# KiCad board radioboard_original.kicad_pcb (continued)
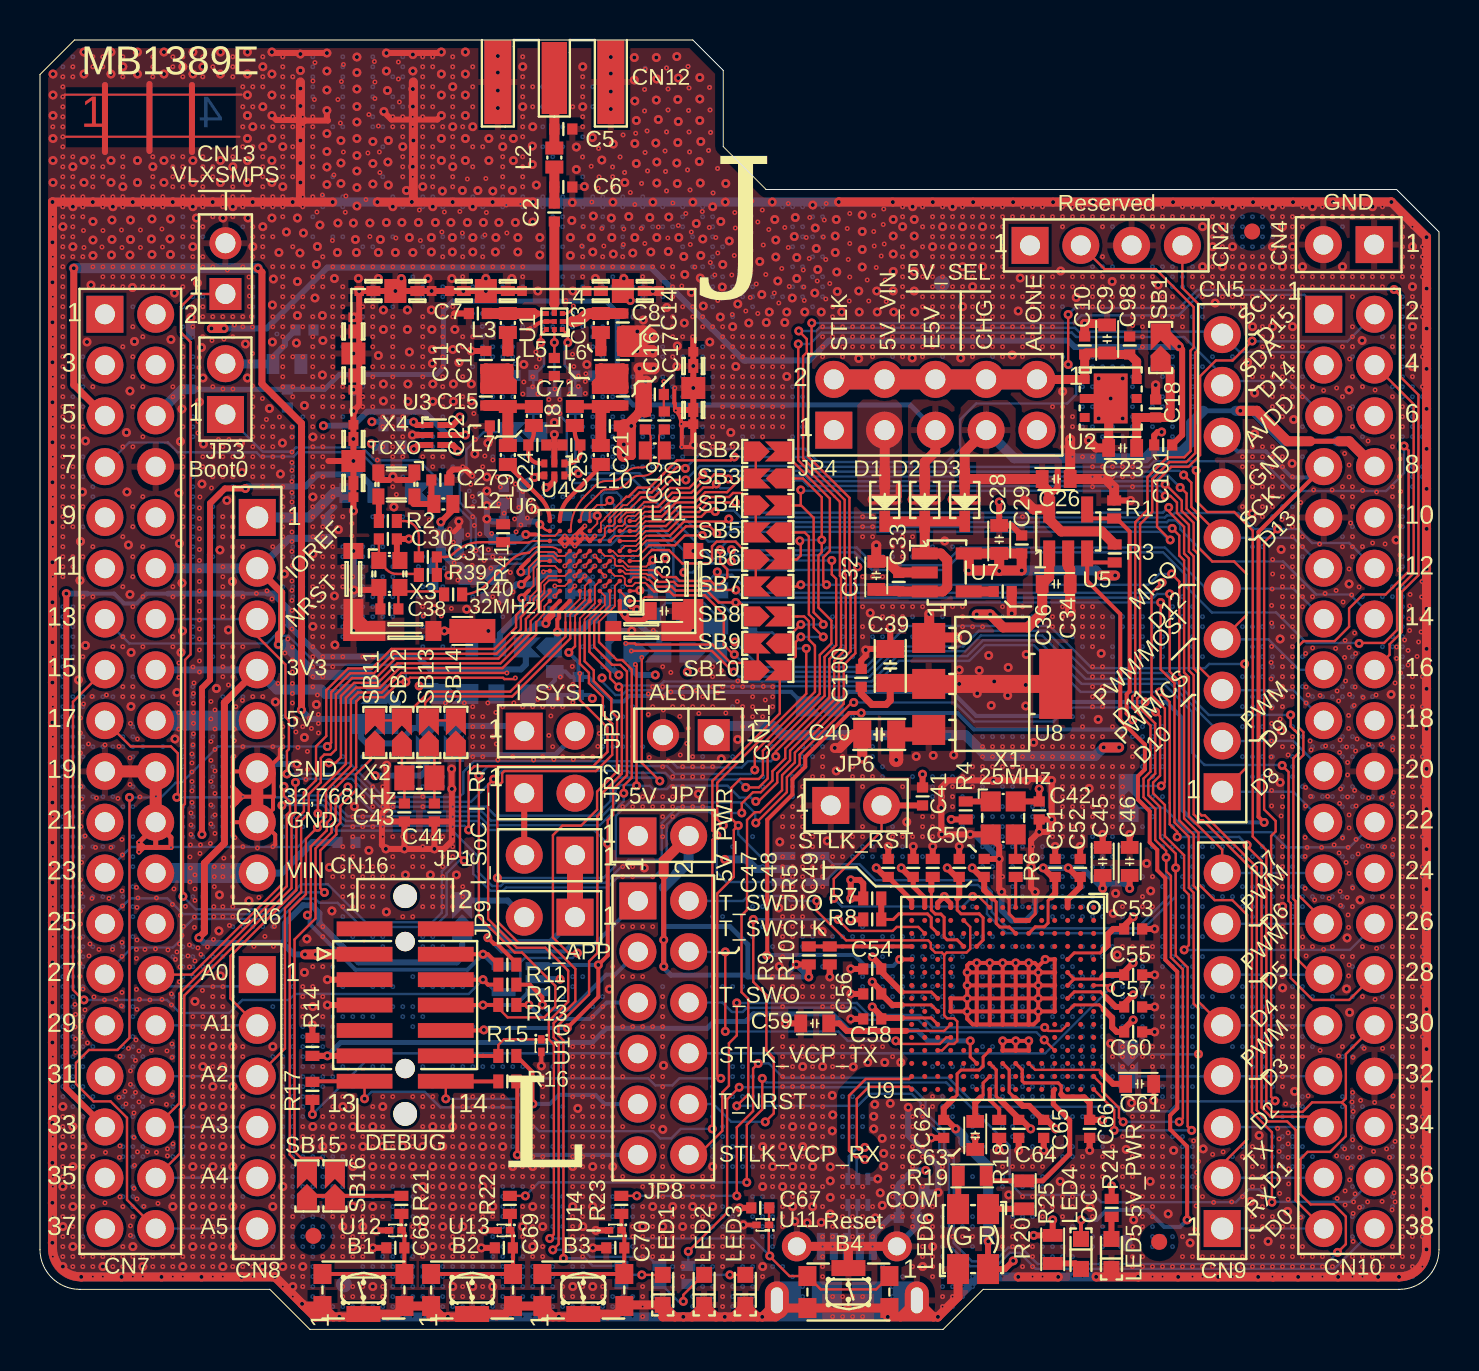
[diagram p0: board, top side]
## Routing (per net, layer and track width the routed paths; a pad name or vN(x,y) marks a point on that pad's centre or on a via; arc(x,y) is an arc through that point) (continued)
v2(52.14,51.14) v2(52.14,43.64) v2(52.14,36.14) v2(52.14,35.64) v2(52.14,35.14) v2(52.14,34.64) v2(52.14,30.14) v2(52.14,29.64) v2(52.14,29.14) v2(52.14,28.64) v2(52.14,28.14) v2(52.14,27.64) v2(52.14,26.64) v2(52.14,26.14) v2(52.14,25.64) v2(52.14,25.14) v2(52.14,24.64) v2(52.14,8.64) v2(52.14,8.14) v2(52.14,7.64) v2(52.14,7.14) v2(52.14,6.64) v2(52.64,55.64) v2(52.64,52.64) v2(52.64,52.14) v2(52.64,51.64) v2(52.64,51.14) v2(52.64,43.64) v2(52.64,43.14) v2(52.64,42.64) v2(52.64,42.14) v2(52.64,36.14) v2(52.64,35.64) v2(52.64,35.14) v2(52.64,34.64) v2(52.64,34.14) v2(52.64,33.14) v2(52.64,32.64) v2(52.64,32.14) v2(52.64,31.64) v2(52.64,31.14) v2(52.64,29.64) v2(52.64,29.14) v2(52.64,28.64) v2(52.64,28.14) v2(52.64,27.64) v2(52.64,26.14) v2(52.64,25.64) v2(52.64,25.14) v2(52.64,8.14) v2(52.64,7.64) v2(52.64,7.14) v2(52.64,6.64) v2(52.64,5.64) v2(53.14,56.14) v2(53.14,55.64) v2(53.14,55.14) v2(53.14,53.64) v2(53.14,52.64) v2(53.14,52.14) v2(53.14,51.64) v2(53.14,51.14) v2(53.14,43.14) v2(53.14,42.64) v2(53.14,35.64) v2(53.14,35.14) v2(53.14,34.64) v2(53.14,33.14) v2(53.14,32.64) v2(53.14,32.14) v2(53.14,31.64) v2(53.14,31.14) v2(53.14,29.64) v2(53.14,28.14) v2(53.14,27.64) v2(53.14,27.14) v2(53.14,26.64) v2(53.14,26.14) v2(53.14,25.64) v2(53.14,8.64) v2(53.14,8.14) v2(53.14,7.64) v2(53.64,56.14) v2(53.64,55.64) v2(53.64,51.64) v2(53.64,51.14) v2(53.64,43.14) v2(53.64,42.64) v2(53.64,42.14) v2(53.64,30.14) v2(53.64,28.14) v2(53.64,27.64) v2(53.64,27.14) v2(53.64,26.64) v2(53.64,26.14) v2(53.64,25.64) v2(53.64,25.14) v2(53.64,13.64) v2(53.64,9.14) v2(53.64,8.64) v2(53.64,8.14) v2(54.14,56.14) v2(54.14,55.64) v2(54.14,52.64) v2(54.14,52.14) v2(54.14,51.64) v2(54.14,51.14) v2(54.14,43.14) v2(54.14,42.64) v2(54.14,29.64) v2(54.14,28.14) v2(54.14,27.64) v2(54.14,27.14) v2(54.14,26.64) v2(54.14,26.14) v2(54.14,25.64) v2(54.14,25.14) v2(54.14,21.14) v2(54.14,19.14) v2(54.14,14.14) v2(54.14,13.64) v2(54.14,13.14) v2(54.14,9.64) v2(54.14,8.14) v2(54.14,7.64) v2(54.14,7.14) v2(54.64,55.64) v2(54.64,52.64) v2(54.64,52.14) v2(54.64,51.64) v2(54.64,51.14) v2(54.64,50.64) v2(54.65,50.2) v2(54.64,43.14) v2(54.64,42.64) v2(54.64,42.14) v2(54.64,29.14) v2(54.64,28.64) v2(54.64,28.14) v2(54.64,26.14) v2(54.64,25.64) v2(54.64,19.14) v2(54.64,14.14) v2(54.64,13.64) v2(54.64,13.14) v2(54.64,10.64) v2(54.64,10.14) v2(54.64,9.64) v2(54.64,8.64) v2(54.64,8.14) v2(54.64,7.64) v2(54.64,7.14) v2(54.64,6.64) v2(54.64,6.14) v2(54.64,4.64) v2(54.64,4.14) v2(54.64,3.64) v2(54.64,3.14) v2(55.14,56.14) v2(55.14,55.64) v2(55.14,52.64) v2(55.14,52.14) v2(55.14,51.64) v2(55.14,51.14) v2(55.14,50.64) v2(55.14,50.14) v2(55.14,49.64) v2(55.14,49.14) v2(55.14,21.64) v2(55.14,21.14) v2(55.14,19.14) v2(55.14,18.64) v2(55.14,14.14) v2(55.14,13.64) v2(55.14,11.14) v2(55.14,10.64) v2(55.14,10.14) v2(55.14,9.64) v2(55.14,9.14) v2(55.14,8.64) v2(55.14,8.14) v2(55.14,6.64) v2(55.14,6.14) v2(55.14,5.64) v2(55.14,5.14) v2(55.14,3.64) v2(55.14,3.14) v2(55.64,56.14) v2(55.64,55.64) v2(55.64,55.14) v2(55.64,52.64) v2(55.64,51.64) v2(55.64,51.14) v2(55.64,50.64) v2(55.64,22.64) v2(55.64,21.14) v2(55.64,19.14) v2(55.64,18.64) v2(55.64,14.14) v2(55.64,13.64) v2(55.64,13.14) v2(55.64,10.64) v2(55.64,10.14) v2(55.64,9.64) v2(55.64,9.14) v2(55.64,8.64) v2(55.64,8.14) v2(55.64,6.64) v2(55.64,6.14) v2(55.64,5.64) v2(55.64,3.14) v2(55.64,2.64) v2(56.14,56.14) v2(56.14,55.64) v2(56.14,55.14) v2(56.14,51.64) v2(56.14,51.14) v2(56.14,50.64) v2(56.14,17.14) v2(56.14,16.64) v2(56.14,15.64) v2(56.14,15.14) v2(56.14,14.14) v2(56.14,13.64) v2(56.14,11.14) v2(56.14,9.64) v2(56.14,9.14) v2(56.14,8.64) v2(56.14,8.14) v2(56.14,7.64) v2(56.14,7.14) v2(56.14,6.64) v2(56.14,3.14) v2(56.14,2.64) v2(56.64,55.64) v2(56.64,51.64) v2(56.64,51.14) v2(56.64,50.64) v2(56.64,8.14) v2(56.64,7.64) v2(56.64,7.14) v2(56.64,6.64) v2(56.64,3.14) v2(57.14,56.14) v2(57.14,55.64) v2(57.14,51.14) v2(57.14,50.64) v2(57.14,50.14) v2(57.14,4.64) v2(57.14,3.64) v2(57.14,3.14) v2(57.64,56.14) v2(57.64,55.64) v2(57.64,52.64) v2(57.64,52.14) v2(57.7,9.42) v2(57.64,3.64) v2(57.64,3.14) v2(57.64,2.64) v2(57.83,6.17) v2(57.75,5) v2(57.85,7.85) v2(57.87,7.1) v2(57.95,8.4) v2(58.14,56.14) v2(58.14,55.64) v2(58.14,52.64) v2(58.14,52.14) v2(58.14,51.64) v2(58.14,6.64) v2(58.14,3.64) v2(58.14,3.14) v2(58.14,2.64) v2(58.64,55.64) v2(58.64,55.14) v2(58.64,54.64) v2(58.64,53.64) v2(58.64,53.14) v2(58.64,52.64) v2(58.64,52.14) v2(58.65,8.75) v2(58.7,6.35) v2(58.64,3.64) v2(58.64,3.14) v2(59.14,56.14) v2(59.14,55.64) v2(59.14,54.64) v2(59.14,54.14) v2(59.14,53.64) v2(59.14,52.64) v2(59.14,52.14) v2(59.14,51.64) v2(59.17,8.88) v2(59.14,3.64) v2(59.14,3.14) v2(59.6,6.38) v2(59.64,55.64) v2(59.64,53.64) v2(59.64,53.14) v2(59.64,52.64) v2(59.64,52.14) v2(59.64,51.64) v2(59.64,51.14) v2(59.64,3.64) v2(59.64,3.14) v2(59.64,2.64) v2(60.14,56.14) v2(60.14,53.64) v2(60.14,52.64) v2(60.14,52.14) v2(60.14,51.64) v2(60.14,51.14) v2(60.14,50.64) v2(60.14,43.64) v2(60.14,43.14) v2(60.14,41.14) v2(60.14,8.64) v2(60.14,6.64) v2(60.14,3.64) v2(60.14,3.14) v2(60.14,2.64) v2(60.64,53.64) v2(60.64,53.14) v2(60.64,52.64) v2(60.64,52.14) v2(60.64,51.64) v2(60.64,51.14) v2(60.64,50.64) v2(60.64,47.64) v2(60.64,44.14) v2(60.64,43.64) v2(60.64,43.14) v2(60.64,42.64) v2(60.64,42.14) v2(60.64,41.64) v2(60.64,9.14) v2(60.64,8.64) v2(60.64,8.14) v2(60.64,7.64) v2(60.64,7.14) v2(60.64,5.64) v2(60.64,5.14) v2(60.64,4.64) v2(60.64,4.14) v2(60.64,3.64) v2(60.64,3.14) v2(61.14,56.14) v2(61.14,53.64) v2(61.14,52.64) v2(61.14,52.14) v2(61.14,51.64) v2(61.14,51.14) v2(61.14,50.64) v2(61.14,50.14) v2(61.14,49.64) v2(61.14,49.14) v2(61.14,48.64) v2(61.14,48.14) v2(61.14,47.64) v2(61.14,47.14) v2(61.14,44.14) v2(61.14,43.64) v2(61.14,43.14) v2(61.14,42.64) v2(61.14,42.14) v2(61.14,41.64) v2(61.14,41.14) v2(61.14,40.64) v2(61.14,9.14) v2(61.14,8.64) v2(61.14,8.14) v2(61.14,7.64) v2(61.14,7.14) v2(61.14,6.64) v2(61.14,6.14) v2(61.14,5.64) v2(61.14,5.14) v2(61.14,3.64) v2(61.14,3.14) v2(61.62,37.02) v2(61.6,36.2) v2(61.6,35.32) v2(61.6,34.15) v2(61.58,33.35) v2(61.58,32.52) v2(61.58,31.75) v2(61.6,31.07) v2(61.6,30.3) v2(61.6,29.42) v2(61.58,28.62) v2(61.6,27.8) v2(61.6,26.95) v2(61.6,26.17) v2(61.64,55.64) v2(61.64,53.64) v2(61.64,53.14) v2(61.64,52.64) v2(61.64,52.14) v2(61.64,51.64) v2(61.64,51.14) v2(61.64,50.64) v2(61.64,49.64) v2(61.64,49.14) v2(61.64,48.64) v2(61.64,48.14) v2(61.64,47.64) v2(61.64,47.14) v2(61.64,46.64) v2(61.64,46.14) v2(61.64,44.14) v2(61.64,43.64) v2(61.64,43.14) v2(61.64,42.64) v2(61.64,42.14) v2(61.64,41.64) v2(61.64,41.14) v2(61.65,38.5) v2(61.65,37.77) v2(61.64,5.64) v2(61.64,5.14) v2(61.64,3.64) v2(61.64,3.14) v2(61.64,2.64) v2(61.9,10.05) v2(62.02,30.52) v2(61.98,9.52) v2(61.98,8.9) v2(61.98,8.2) v2(61.98,7.5) v2(62,6.8) v2(62.12,40.5) v2(62.08,25.67) v2(62.14,56.14) v2(62.14,55.64) v2(62.14,54.64) v2(62.14,54.14) v2(62.14,53.64) v2(62.14,52.64) v2(62.14,52.14) v2(62.14,51.64) v2(62.14,51.14) v2(62.14,50.64) v2(62.14,50.14) v2(62.14,49.64) v2(62.14,49.14) v2(62.14,48.64) v2(62.14,48.14) v2(62.14,47.64) v2(62.14,47.14) v2(62.14,46.64) v2(62.14,46.14) v2(62.14,45.64) v2(62.14,43.64) v2(62.14,43.14) v2(62.14,42.64) v2(62.14,42.14) v2(62.14,41.64) v2(62.14,38.14) v2(62.14,37.64) v2(62.14,37.14) v2(62.14,36.64) v2(62.14,36.14) v2(62.14,35.64) v2(62.14,35.14) v2(62.14,33.64) v2(62.14,33.14) v2(62.14,32.64) v2(62.14,32.14) v2(62.14,31.64) v2(62.14,31.14) v2(62.14,29.14) v2(62.14,26.64) v2(62.14,26.14) v2(62.14,24.64) v2(62.14,24.14) v2(62.14,23.64) v2(62.14,23.14) v2(62.14,22.64) v2(62.14,22.14) v2(62.14,21.64) v2(62.14,20.64) v2(62.14,20.14) v2(62.14,19.64) v2(62.14,19.14) v2(62.14,18.64) v2(62.14,18.14) v2(62.14,17.64) v2(62.14,16.14) v2(62.14,15.64) v2(62.14,15.14) v2(62.14,14.64) v2(62.14,14.14) v2(62.14,13.64) v2(62.14,13.14) v2(62.14,12.64) v2(62.14,12.14) v2(62.14,5.14) v2(62.14,4.64) v2(62.14,4.14) v2(62.14,3.64) v2(62.14,3.14) v2(62.14,2.64) v2(62.3,11.27) v2(62.42,28.72) v2(62.42,9.82) v2(62.42,9.27) v2(62.42,8.6) v2(62.42,6.5) v2(62.45,8.03) v2(62.45,7.28) v2(62.64,55.64) v2(62.64,55.14) v2(62.64,54.64) v2(62.64,53.64) v2(62.64,53.14) v2(62.64,52.64) v2(62.64,52.14) v2(62.64,51.64) v2(62.64,51.14) v2(62.64,50.64) v2(62.64,49.64) v2(62.64,49.14) v2(62.64,48.64) v2(62.64,48.14) v2(62.64,47.64) v2(62.64,47.14) v2(62.64,46.64) v2(62.64,46.14) v2(62.64,42.64) v2(62.64,42.14) v2(62.64,40.64) v2(62.64,40.14) v2(62.64,39.64) v2(62.64,39.14) v2(62.64,38.64) v2(62.64,38.14) v2(62.64,37.64) v2(62.64,37.14) v2(62.64,36.64) v2(62.64,36.14) v2(62.64,35.64) v2(62.64,35.14) v2(62.64,34.64) v2(62.64,34.14) v2(62.64,33.64) v2(62.64,33.14) v2(62.64,32.64) v2(62.64,32.14) v2(62.64,31.64) v2(62.64,29.64) v2(62.64,29.14) v2(62.64,16.64) v2(62.64,16.14) v2(62.64,15.64) v2(62.64,15.14) v2(62.64,14.64) v2(62.64,14.14) v2(62.64,13.64) v2(62.64,13.14) v2(62.64,12.64) v2(62.64,5.14) v2(62.64,4.64) v2(62.64,4.14) v2(62.64,3.64) v2(62.64,3.14) v2(62.95,11.3) v2(63.05,41.35) v2(63.05,5.6) v2(63.14,56.14) v2(63.14,55.64) v2(63.14,55.14) v2(63.14,52.64) v2(63.14,52.14) v2(63.14,49.14) v2(63.14,47.14) v2(63.14,46.64) v2(63.14,39.64) v2(63.14,39.14) v2(63.14,37.14) v2(63.14,36.64) v2(63.14,36.14) v2(63.15,19.62) v2(63.15,19.12) v2(63.14,16.14) v2(63.14,14.14) v2(63.14,13.64) v2(63.14,4.14) v2(63.14,3.64) v2(63.14,3.14) v2(63.3,33.8) v2(63.33,32.12) v2(63.33,31.32) v2(63.3,27.1) v2(63.3,26.17) v2(63.27,24.6) v2(63.27,23.65) v2(63.27,22.05) v2(63.33,18.67) v2(63.42,31.72) v2(63.37,24.1) v2(63.42,11.67) v2(63.52,29.42) v2(63.58,28.97) v2(63.55,26.65) v2(63.64,55.64) v2(63.64,52.64) v2(63.64,52.14) v2(63.64,47.14) v2(63.7,41.97) v2(63.64,36.64) v2(63.65,34.07) v2(63.64,19.14) v2(63.64,3.64) v2(63.64,3.14) v2(63.64,2.64) v2(63.75,21.47) v2(64,39.27) v2(64.02,31.7) v2(64.02,13.95) v2(64.1,24.1) v2(64.14,56.14) v2(64.14,55.64) v2(64.14,52.64) v2(64.14,52.14) v2(64.2,46.95) v2(64.2,19) v2(64.14,3.64) v2(64.14,3.14) v2(64.14,2.64) v2(64.27,36.8) v2(64.3,29.17) v2(64.4,26.65) v2(64.48,21.55) v2(64.62,41.97) v2(64.64,55.64) v2(64.64,52.64) v2(64.64,52.14) v2(64.73,24.22) v2(64.64,19.14) v2(64.64,3.14) v2(64.83,36.95) v2(64.8,34.05) v2(64.85,47.07) v2(64.87,31.92) v2(64.85,8.67) v2(64.87,6.55) v2(64.95,31.42) v2(65.02,29.47) v2(65,28.85) v2(65,26.3) v2(64.98,23.82) v2(65.02,21.9) v2(64.95,13.67) v2(65.05,27.02) v2(65.05,21.2) v2(65.14,56.14) v2(65.14,55.64) v2(65.14,52.64) v2(65.14,52.14) v2(65.14,49.14) v2(65.14,46.64) v2(65.14,42.14) v2(65.14,41.64) v2(65.14,39.14) v2(65.17,36.38) v2(65.15,24.57) v2(65.14,18.64) v2(65.14,14.14) v2(65.14,3.14) v2(65.25,43.8) v2(65.27,34.45) v2(65.25,33.6) v2(65.3,32.42) v2(65.33,23.35) v2(65.25,9.03) v2(65.27,6.92) v2(65.27,6.22) v2(65.35,29.12) v2(65.4,28.35) v2(65.4,27.72) v2(65.4,26.62) v2(65.42,24.1) v2(65.37,21.6) v2(65.42,20.72) v2(65.4,8.57) v2(65.5,48.52) v2(65.5,46.05) v2(65.48,43.22) v2(65.48,42.62) v2(65.48,38.02) v2(65.48,34.1) v2(65.5,33.12) v2(65.5,31.75) v2(65.45,30.7) v2(65.45,30.05) v2(65.48,25.72) v2(65.48,25.07) v2(65.48,22.8) v2(65.45,20.1) v2(65.48,18.22) v2(65.45,17.67) v2(65.5,7.47) v2(65.55,40.32) v2(65.6,36.72) v2(65.62,11.38) v2(65.58,8.07) v2(65.64,55.64) v2(65.64,52.64) v2(65.64,52.14) v2(65.64,51.64) v2(65.64,50.14) v2(65.64,49.64) v2(65.64,49.14) v2(65.64,47.64) v2(65.64,45.14) v2(65.64,42.14) v2(65.64,41.64) v2(65.64,41.14) v2(65.64,39.64) v2(65.64,39.14) v2(65.64,38.64) v2(65.73,31.2) v2(65.65,22.07) v2(65.64,21.14) v2(65.64,18.64) v2(65.64,14.64) v2(65.67,13.6) v2(65.65,11.85) v2(65.67,10.9) v2(65.65,9.47) v2(65.7,6.38) v2(65.67,5.8) v2(65.67,4.4) v2(65.64,3.64) v2(65.64,3.14) v2(65.64,2.64) v2(65.75,34.82) v2(65.8,33.8) v2(65.77,32.12) v2(65.8,28.92) v2(65.75,26.95) v2(65.83,26.17) v2(65.83,24.5) v2(65.77,6.78) v2(65.87,29.52) v2(65.92,23.77) v2(65.98,37.12) v2(66.02,9.07) v2(66,8.6) v2(66,6.1) v2(66.05,11.45) v2(66.14,56.14) v2(66.14,55.64) v2(66.14,52.64) v2(66.14,52.14) v2(66.14,47.14) v2(66.15,41.95) v2(66.14,39.14) v2(66.17,31.6) v2(66.14,19.14) v2(66.14,16.64) v2(66.23,14.05) v2(66.14,3.64) v2(66.14,3.14) v2(66.14,2.64) v2(66.42,44.42) v2(66.42,24.17) v2(66.4,6.38) v2(66.45,29.25) v2(66.45,26.57) v2(66.64,55.64) v2(66.64,52.64) v2(66.64,52.14) v2(66.65,39.32) v2(66.7,8.9) v2(66.64,3.64) v2(66.64,3.14) v2(66.77,46.97) v2(66.83,31.72) v2(66.77,16.5) v2(66.75,11.35) v2(66.85,41.88) v2(66.85,19.05) v2(67.08,29.25) v2(67.1,26.57) v2(67.12,6.4) v2(67.14,56.14) v2(67.14,55.64) v2(67.14,52.64) v2(67.14,52.14) v2(67.14,21.64) v2(67.15,14.05) v2(67.14,3.64) v2(67.14,3.14) v2(67.27,39.27) v2(67.25,24.12) v2(67.35,9.03) v2(67.5,8.6) v2(67.62,26.25) v2(67.62,5.97) v2(67.64,55.64) v2(67.64,52.64) v2(67.64,49.64) v2(67.64,49.14) v2(67.64,46.64) v2(67.64,44.64) v2(67.64,44.14) v2(67.64,42.14) v2(67.64,41.64) v2(67.67,29.57) v2(67.65,28.97) v2(67.7,26.85) v2(67.7,24.5) v2(67.65,23.75) v2(67.64,21.64) v2(67.64,21.14) v2(67.64,19.14) v2(67.64,18.64) v2(67.64,16.64) v2(67.64,16.14) v2(67.64,14.14) v2(67.67,11.67) v2(67.64,11.14) v2(67.73,6.82) v2(67.64,4.14) v2(67.64,3.64) v2(67.64,3.14) v2(67.77,32.32) v2(67.77,9.4) v2(67.77,6.38) v2(67.85,34.12) v2(67.85,33.55) v2(68.02,43.52) v2(68,42.65) v2(68.02,41.17) v2(68.02,40.17) v2(68.02,38.72) v2(67.98,37.97) v2(68.05,41.9) v2(68.05,32.82) v2(68.14,55.64) v2(68.14,55.14) v2(68.14,54.64) v2(68.14,54.14) v2(68.14,53.64) v2(68.14,53.14) v2(68.14,52.64) v2(68.14,46.14) v2(68.14,45.64) v2(68.14,45.14) v2(68.14,32.14) v2(68.14,31.64) v2(68.14,31.14) v2(68.14,30.64) v2(68.14,30.14) v2(68.14,29.64) v2(68.14,29.14) v2(68.14,28.64) v2(68.14,28.14) v2(68.14,27.64) v2(68.14,27.14) v2(68.14,26.64) v2(68.14,26.14) v2(68.14,25.64) v2(68.14,25.14) v2(68.14,24.64) v2(68.14,24.14) v2(68.14,23.64) v2(68.14,23.14) v2(68.14,22.64) v2(68.14,22.14) v2(68.14,21.64) v2(68.14,21.14) v2(68.14,20.64) v2(68.14,20.14) v2(68.14,19.64) v2(68.14,19.14) v2(68.14,18.64) v2(68.14,18.14) v2(68.14,17.64) v2(68.14,17.14) v2(68.14,16.64) v2(68.14,16.14) v2(68.14,15.64) v2(68.14,15.14) v2(68.14,14.64) v2(68.14,14.14) v2(68.14,13.64) v2(68.14,13.14) v2(68.14,12.64) v2(68.14,12.14) v2(68.14,11.64) v2(68.14,11.14) v2(68.14,10.64) v2(68.14,10.14) v2(68.14,9.64) v2(68.14,9.14) v2(68.14,8.64) v2(68.14,8.14) v2(68.14,7.64) v2(68.14,7.14) v2(68.14,6.64) v2(68.14,6.14) v2(68.14,5.64) v2(68.14,5.14) v2(68.14,4.64) v2(68.14,4.14) v2(68.14,3.64) v2(68.14,3.14) v2(68.25,34.47) v2(68.42,33.95) v2(68.42,33.22) v2(68.52,36.75) v2(68.5,36.17) v2(68.48,35.52) v2(68.5,34.95) v2(68.64,55.14) v2(68.64,54.64) v2(68.64,53.64) v2(68.64,53.14) v2(68.64,52.64) v2(68.64,51.64) v2(68.64,51.14) v2(68.64,50.64) v2(68.64,49.64) v2(68.64,49.14) v2(68.64,48.64) v2(68.64,47.64) v2(68.64,32.64) v2(68.64,32.14) v2(68.64,31.64) v2(68.64,31.14) v2(68.64,30.64) v2(68.64,30.14) v2(68.64,29.64) v2(68.64,29.14) v2(68.64,28.64) v2(68.64,28.14) v2(68.64,27.64) v2(68.64,27.14) v2(68.64,26.64) v2(68.64,26.14) v2(68.64,25.64) v2(68.64,25.14) v2(68.64,24.64) v2(68.64,24.14) v2(68.64,23.64) v2(68.64,23.14) v2(68.64,22.64) v2(68.64,22.14) v2(68.64,21.64) v2(68.64,21.14) v2(68.64,20.64) v2(68.64,20.14) v2(68.64,19.64) v2(68.64,19.14) v2(68.64,18.64) v2(68.64,18.14) v2(68.64,17.64) v2(68.64,17.14) v2(68.64,16.64) v2(68.64,16.14) v2(68.64,15.64) v2(68.64,15.14) v2(68.64,14.64) v2(68.64,14.14) v2(68.64,13.64) v2(68.64,13.14) v2(68.64,12.64) v2(68.64,12.14) v2(68.64,11.64) v2(68.64,11.14) v2(68.64,10.64) v2(68.64,10.14) v2(68.64,9.64) v2(68.64,9.14) v2(68.64,8.64) v2(68.64,8.14) v2(68.64,7.64) v2(68.64,7.14) v2(68.64,6.64) v2(68.64,6.14) v2(68.64,5.64) v2(68.64,5.14) v2(68.64,4.64) v2(68.64,4.14) v2(68.64,3.64) v2(68.64,3.14) v2(68.87,33.65) v2(68.95,34.38) v2(69.12,37.4) v2(69.1,36.62) v2(69.08,35.52) v2(69.08,34.88) v2(69.14,54.14) v2(69.14,53.64) v2(69.14,53.14) v2(69.14,52.64) v2(69.14,51.14) v2(69.14,50.64) v2(69.14,49.14) v2(69.14,48.64) v2(69.14,47.14) v2(69.14,33.14) v2(69.14,32.64) v2(69.14,31.14) v2(69.14,30.64) v2(69.14,29.14) v2(69.14,28.64) v2(69.14,27.14) v2(69.14,26.64) v2(69.14,25.14) v2(69.14,24.64) v2(69.14,23.14) v2(69.14,22.64) v2(69.14,21.14) v2(69.14,20.64) v2(69.14,19.14) v2(69.14,18.64) v2(69.14,17.14) v2(69.14,16.64) v2(69.14,15.14) v2(69.14,14.64) v2(69.14,13.14) v2(69.14,12.64) v2(69.14,11.14) v2(69.14,10.64) v2(69.14,9.14) v2(69.14,8.64) v2(69.14,7.14) v2(69.14,6.64) v2(69.14,5.14) v2(69.14,4.64) v2(69.14,3.14) v3(0.64,60.14) v3(0.64,55.64) v3(0.64,55.14) v3(0.64,53.64) v3(0.64,53.14) v3(0.64,51.64) v3(0.64,51.14) v3(0.64,49.64) v3(0.64,49.14) v3(0.64,47.64) v3(0.64,47.14) v3(0.64,45.64) v3(0.64,45.14) v3(0.64,43.64) v3(0.64,43.14) v3(0.64,41.64) v3(0.64,41.14) v3(0.64,39.64) v3(0.64,39.14) v3(0.64,37.64) v3(0.64,37.14) v3(0.64,35.64) v3(0.64,35.14) v3(0.64,33.64) v3(0.64,33.14) v3(0.64,31.64) v3(0.64,31.14) v3(0.64,29.64) v3(0.64,29.14) v3(0.64,27.64) v3(0.64,27.14) v3(0.64,25.64) v3(0.64,25.14) v3(0.64,23.64) v3(0.64,23.14) v3(0.64,21.64) v3(0.64,21.14) v3(0.64,19.64) v3(0.64,19.14) v3(0.64,17.64) v3(0.64,17.14) v3(0.64,15.64) v3(0.64,15.14) v3(0.64,13.64) v3(0.64,13.14) v3(0.64,11.64) v3(0.64,11.14) v3(0.64,9.64) v3(0.64,9.14) v3(0.64,7.64) v3(0.64,7.14) v3(0.64,5.64) v3(0.64,5.14) v3(0.64,3.64) v3(1.14,63.14) v3(1.14,62.64) v3(1.14,62.14) v3(1.14,61.14) v3(1.14,60.64) v3(1.14,60.14) v3(1.14,59.14) v3(1.14,58.64) v3(1.14,58.14) v3(1.14,57.64) v3(1.14,57.14) v3(1.14,56.64) v3(1.14,56.14) v3(1.14,55.64) v3(1.14,54.64) v3(1.14,54.14) v3(1.14,53.64) v3(1.14,53.14) v3(1.14,52.64) v3(1.14,52.14) v3(1.14,51.64) v3(1.14,51.14) v3(1.14,50.64) v3(1.14,50.14) v3(1.14,49.64) v3(1.14,49.14) v3(1.14,48.64) v3(1.14,48.14) v3(1.14,47.64) v3(1.14,47.14) v3(1.14,46.64) v3(1.14,46.14) v3(1.14,45.64) v3(1.14,45.14) v3(1.14,44.64) v3(1.14,44.14) v3(1.14,43.64) v3(1.14,43.14) v3(1.14,42.64) v3(1.14,42.14) v3(1.14,41.64) v3(1.14,41.14) v3(1.14,40.64) v3(1.14,40.14) v3(1.14,39.64) v3(1.14,39.14) v3(1.14,38.64) v3(1.14,38.14) v3(1.14,37.64) v3(1.14,36.14) v3(1.14,35.64) v3(1.14,35.14) v3(1.14,34.64) v3(1.14,34.14) v3(1.14,33.64) v3(1.14,33.14) v3(1.14,32.64) v3(1.14,32.14) v3(1.14,31.64) v3(1.14,31.14) v3(1.14,30.64) v3(1.14,30.14) v3(1.14,29.64) v3(1.14,29.14) v3(1.14,28.64) v3(1.14,28.14) v3(1.14,27.64) v3(1.14,27.14) v3(1.14,26.64) v3(1.14,26.14) v3(1.14,25.64) v3(1.14,25.14) v3(1.14,24.64) v3(1.14,24.14) v3(1.14,23.64) v3(1.14,23.14) v3(1.14,22.64) v3(1.14,22.14) v3(1.14,21.64) v3(1.14,21.14) v3(1.14,20.64) v3(1.14,20.14) v3(1.14,19.64) v3(1.14,19.14) v3(1.14,18.64) v3(1.14,18.14) v3(1.14,17.64) v3(1.14,17.14) v3(1.14,16.64) v3(1.14,16.14) v3(1.14,15.64) v3(1.14,15.14) v3(1.14,14.64) v3(1.14,14.14) v3(1.14,13.64) v3(1.14,13.14) v3(1.14,12.64) v3(1.14,12.14) v3(1.14,11.64) v3(1.14,10.64) v3(1.14,10.14) v3(1.14,9.64) v3(1.14,8.64) v3(1.14,8.14) v3(1.14,7.64) v3(1.14,6.64) v3(1.14,6.14) v3(1.14,5.64) v3(1.14,4.64) v3(1.14,4.14) v3(1.14,3.64) v3(1.64,63.64) v3(1.64,63.14) v3(1.64,62.64) v3(1.64,58.64) v3(1.64,57.64) v3(1.64,57.14) v3(1.64,56.64) v3(1.64,55.64) v3(1.64,55.14) v3(1.64,54.64) v3(1.64,53.64) v3(1.64,52.14) v3(1.64,51.64) v3(1.64,51.14) v3(1.64,50.64) v3(1.64,50.14) v3(1.64,49.64) v3(1.64,49.14) v3(1.64,48.64) v3(1.64,48.14) v3(1.64,47.64) v3(1.64,47.14) v3(1.64,46.64) v3(1.64,46.14) v3(1.64,45.64) v3(1.64,45.14) v3(1.64,44.64) v3(1.64,44.14) v3(1.64,43.64) v3(1.64,43.14) v3(1.64,42.64) v3(1.64,42.14) v3(1.64,41.64) v3(1.64,41.14) v3(1.64,40.64) v3(1.64,40.14) v3(1.64,38.64) v3(1.64,38.14) v3(1.64,36.14) v3(1.64,35.64) v3(1.64,35.14) v3(1.64,34.64) v3(1.64,34.14) v3(1.64,33.64) v3(1.64,33.14) v3(1.64,31.64) v3(1.64,31.14) v3(1.64,30.64) v3(1.64,30.14) v3(1.64,29.64) v3(1.64,29.14) v3(1.64,28.64) v3(1.64,28.14) v3(1.64,27.64) v3(1.64,27.14) v3(1.64,26.64) v3(1.64,26.14) v3(1.64,25.64) v3(1.64,25.14) v3(1.64,24.64) v3(1.64,24.14) v3(1.64,23.64) v3(1.64,23.14) v3(1.64,22.64) v3(1.64,22.14) v3(1.64,21.64) v3(1.64,21.14) v3(1.64,20.64) v3(1.64,20.14) v3(1.64,19.64) v3(1.64,19.14) v3(1.64,18.64) v3(1.64,18.14) v3(1.64,17.64) v3(1.64,17.14) v3(1.64,16.64) v3(1.64,16.14) v3(1.64,15.64) v3(1.64,15.14) v3(1.64,14.64) v3(1.64,14.14) v3(1.64,13.64) v3(1.64,13.14) v3(1.64,12.64) v3(1.64,12.14) v3(1.64,11.64) v3(1.64,11.14) v3(1.64,10.64) v3(1.64,9.64) v3(1.64,9.14) v3(1.64,8.64) 